# Altium PCB IMX6 DEV BOARD.PcbDoc (part 12 of 12)
Units mm, origin at the board's own origin, x right, y up, seen from the top; angles counter-clockwise.
Board outline 72.05 x 100.23 mm, 8 copper layers (Top Layer, GND 1, Inner 2, PWR 1, PWR 2, Inner 5, GND2, Bottom Layer), stack 1.463 mm thick; 691 components, 568 nets, 3028 pads, 1624 vias.
Unrouted connection lines stored in the file: 1.
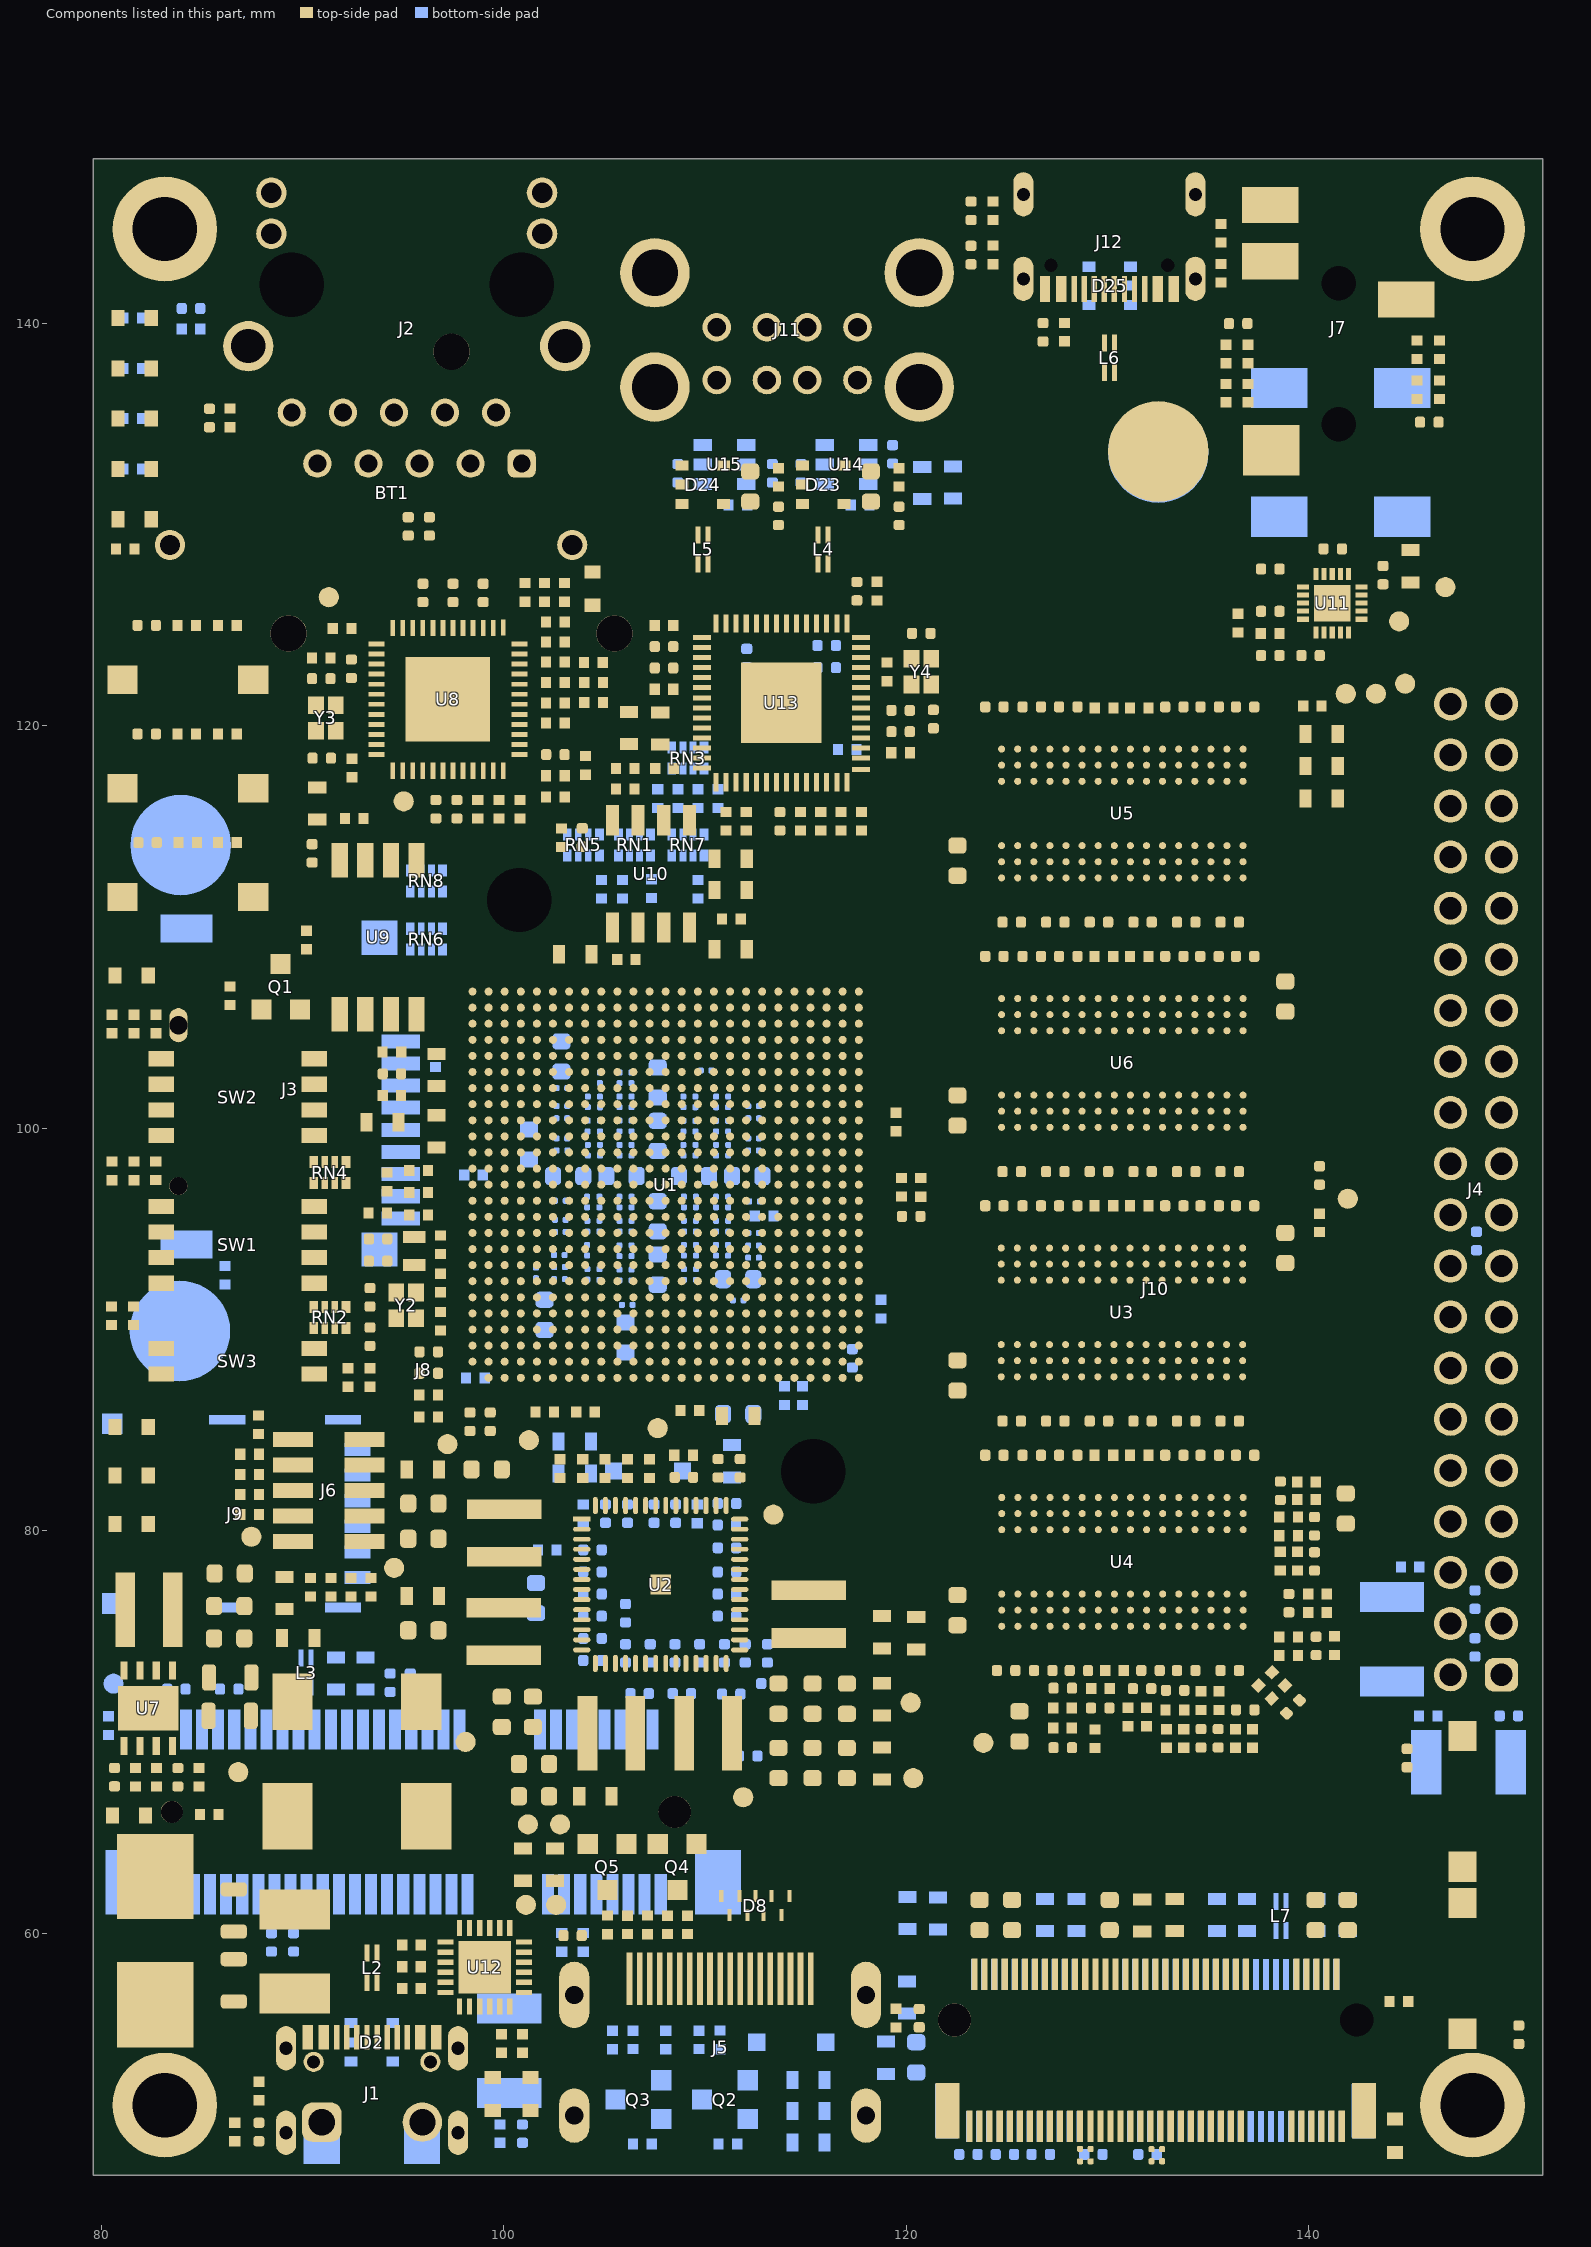
[diagram p18: the components of this part, seen from the top]

## Silkscreen, mask and mechanical layers (free items; w line width, h text height) (continued)
Drill Drawing:
  drawing of 161 lines, arcs and shapes, not listed
  text "Symbol" at 184.692,124.2 h1.2
  text "Count" at 193.23,124.2 h1.2
  text "Hole Size" at 203.96,124.2 h1.2
  text "Plated" at 222.521,124.2 h1.2
  text "Via/Pad" at 231.059,124.2 h1.2
  text "Hole Type" at 240.997,124.2 h1.2
  text "Hole Length" at 253.333,124.2 h1.2
  text "Hole Tolerance" at 271.895,124.2 h1.2
  text "1592" at 193.23,121.7 h1
  text "0,20mm (7,87mil)" at 203.96,121.7 h1
  text "PTH" at 222.521,121.7 h1
  text "Via" at 231.059,121.7 h1
  text "Round" at 240.997,121.7 h1
  text "-" at 253.333,121.7 h1
  text "32" at 193.23,119.2 h1
  text "0,40mm (15,75mil)" at 203.96,119.2 h1
  text "PTH" at 222.521,119.2 h1
  text "Via" at 231.059,119.2 h1
  text "Round" at 240.997,119.2 h1
  text "-" at 253.333,119.2 h1
  text "G" at 184.184,119 h1.11
  text "4" at 193.23,116.7 h1
  text "0,65mm (25,59mil)" at 203.96,116.7 h1
  text "PTH" at 222.521,116.7 h1
  text "Pad" at 231.059,116.7 h1
  text "Round" at 240.997,116.7 h1
  text "-" at 253.333,116.7 h1
  text "8" at 193.23,114.2 h1
  text "0,65mm (25,59mil)" at 203.96,114.2 h1
  text "PTH" at 222.521,114.2 h1
  text "Pad" at 231.059,114.2 h1
  text "Slot" at 240.997,114.2 h1
  text "1,60mm (62,99mil)" at 253.333,114.2 h1
  text "10" at 193.23,111.7 h1
  text "0,89mm (35,04mil)" at 203.96,111.7 h1
  text "PTH" at 222.521,111.7 h1
  text "Pad" at 231.059,111.7 h1
  text "Round" at 240.997,111.7 h1
  text "-" at 253.333,111.7 h1
  text "H" at 184.184,111.5 h1.11
  text "1" at 193.23,109.2 h1
  text "0,90mm (35,43mil)" at 203.96,109.2 h1
  text "NPTH" at 222.521,109.2 h1
  text "Pad" at 231.059,109.2 h1
  text "Round" at 240.997,109.2 h1
  text "-" at 253.333,109.2 h1
  text "C" at 184.184,109 h1.11
  text "1" at 193.23,106.7 h1
  text "0,90mm (35,43mil)" at 203.96,106.7 h1
  text "NPTH" at 222.521,106.7 h1
  text "Pad" at 231.059,106.7 h1
  text "Slot" at 240.997,106.7 h1
  text "1,70mm (66,93mil)" at 253.333,106.7 h1
  text "D" at 184.184,106.5 h1.11
  text "2" at 193.23,104.2 h1
  text "0,90mm (35,43mil)" at 203.96,104.2 h1
  text "PTH" at 222.521,104.2 h1
  text "Pad" at 231.059,104.2 h1
  text "Slot" at 240.997,104.2 h1
  text "2,10mm (82,68mil)" at 253.333,104.2 h1
  text "2" at 193.23,101.7 h1
  text "0,90mm (35,43mil)" at 203.96,101.7 h1
  text "PTH" at 222.521,101.7 h1
  text "Pad" at 231.059,101.7 h1
  text "Slot" at 240.997,101.7 h1
  text "2,70mm (106,30mil)" at 253.333,101.7 h1
  text "A" at 184.184,101.5 h1.11
  text "8" at 193.23,99.2 h1
  text "0,92mm (36,22mil)" at 203.96,99.2 h1
  text "PTH" at 222.521,99.2 h1
  text "Pad" at 231.059,99.2 h1
  text "Round" at 240.997,99.2 h1
  text "-" at 253.333,99.2 h1
  text "2" at 193.23,96.7 h1
  text "1,00mm (39,37mil)" at 203.96,96.7 h1
  text "PTH" at 222.521,96.7 h1
  text "Pad" at 231.059,96.7 h1
  text "Round" at 240.997,96.7 h1
  text "-" at 253.333,96.7 h1
  text "4" at 193.23,94.2 h1
  text "1,02mm (40,16mil)" at 203.96,94.2 h1
  text "PTH" at 222.521,94.2 h1
  text "Pad" at 231.059,94.2 h1
  text "Round" at 240.997,94.2 h1
  text "-" at 253.333,94.2 h1
  text "1" at 193.23,91.7 h1
  text "1,10mm (43,31mil)" at 203.96,91.7 h1
  text "NPTH" at 222.521,91.7 h1
  text "Pad" at 231.059,91.7 h1
  text "Round" at 240.997,91.7 h1
  text "-" at 253.333,91.7 h1
  text "40" at 193.23,89.2 h1
  text "1,10mm (43,31mil)" at 203.96,89.2 h1
  text "PTH" at 222.521,89.2 h1
  text "Pad" at 231.059,89.2 h1
  text "Round" at 240.997,89.2 h1
  text "-" at 253.333,89.2 h1
  text "B" at 184.184,89 h1.11
  text "2" at 193.23,86.7 h1
  text "1,30mm (51,18mil)" at 203.96,86.7 h1
  text "PTH" at 222.521,86.7 h1
  text "Pad" at 231.059,86.7 h1
  text "Round" at 240.997,86.7 h1
  text "-" at 253.333,86.7 h1
  text "1" at 193.23,84.2 h1
  text "1,60mm (62,99mil)" at 203.96,84.2 h1
  text "NPTH" at 222.521,84.2 h1
  text "Pad" at 231.059,84.2 h1
  text "Round" at 240.997,84.2 h1
  text "-" at 253.333,84.2 h1
  text "2" at 193.23,81.7 h1
  text "1,65mm (64,96mil)" at 203.96,81.7 h1
  text "NPTH" at 222.521,81.7 h1
  text "Pad" at 231.059,81.7 h1
  text "Round" at 240.997,81.7 h1
  text "-" at 253.333,81.7 h1
  text "2" at 193.23,79.2 h1
  text "1,70mm (66,93mil)" at 203.96,79.2 h1
  text "NPTH" at 222.521,79.2 h1
  text "Pad" at 231.059,79.2 h1
  text "Round" at 240.997,79.2 h1
  text "-" at 253.333,79.2 h1
  text "O" at 184.184,79 h1.11
  text "2" at 193.23,76.7 h1
  text "1,70mm (66,93mil)" at 203.96,76.7 h1
  text "PTH" at 222.521,76.7 h1
  text "Pad" at 231.059,76.7 h1
  text "Round" at 240.997,76.7 h1
  text "-" at 253.333,76.7 h1
  text "I" at 184.369,76.5 h1.11
  text "3" at 193.23,74.2 h1
  text "1,80mm (70,87mil)" at 203.96,74.2 h1
  text "NPTH" at 222.521,74.2 h1
  text "Pad" at 231.059,74.2 h1
  text "Round" at 240.997,74.2 h1
  text "-" at 253.333,74.2 h1
  text "4" at 193.23,71.7 h1
  text "2,30mm (90,55mil)" at 203.96,71.7 h1
  text "PTH" at 222.521,71.7 h1
  text "Pad" at 231.059,71.7 h1
  text "Round" at 240.997,71.7 h1
  text "-" at 253.333,71.7 h1
  text "2" at 193.23,69.2 h1
  text "3,20mm (125,98mil)" at 203.96,69.2 h1
  text "NPTH" at 222.521,69.2 h1
  text "Pad" at 231.059,69.2 h1
  text "Round" at 240.997,69.2 h1
  text "-" at 253.333,69.2 h1
  text "6" at 193.23,66.7 h1
  text "3,20mm (125,98mil)" at 203.96,66.7 h1
  text "PTH" at 222.521,66.7 h1
  text "Pad" at 231.059,66.7 h1
  text "Round" at 240.997,66.7 h1
  text "-" at 253.333,66.7 h1
  text "K" at 184.184,66.5 h1.11
  text "1731 Total" at 193.23,64.2 h1
  text "Slot definitions :" at 184.692,61.717 h1
  text "Routed Path Length" at 201.996,61.717 h1
  text "= Calculated from tool start centre position to tool end centre position." at 220.468,61.717 h1
  text "Hole Length" at 201.996,59.984 h1
  text "= Routed Path Length + Tool Size = Slot length as defined in the PCB layout" at 213.636,59.984 h1

## Dimensions
79.6,47.969 to 79.6,148.2 on Top Dimensions
79.6,148.2 to 151.65,148.2 on Top Dimensions

## Text inside footprints (layer, text, board x,y; h text height)
J4: Top Overlay "1" at 150.12,70.71 h1.02 r90; Top Overlay "2" at 147.42,70.41 h1.02 r90
J5: Mechanical 2 "PCB Edge" at 108.761,46.52 h0.61
M3: Top Overlay "N° : [      ]" at 150.411,130.6 h1.6 r90
M4: Bottom Overlay "IP : [   .   .   ] [   .   .   ] [   .   .   ] [   .   .   ] : [   .   .   .   .   ]" at 144.147,83.632 h1.6 r270
SW1: Top Overlay "ON" at 85.175,91.505 h0.89 r90; Mechanical 13 "ON" at 85.175,91.505 h0.89 r90
SW2: Top Overlay "ON" at 85.175,98.845 h0.89 r90; Mechanical 13 "ON" at 85.175,98.845 h0.89 r90
SW3: Top Overlay "ON" at 85.175,86.99 h0.89 r90; Mechanical 13 "ON" at 85.175,86.99 h0.89 r90